# EAGLE board working (EAGLE 9.6.2), part 25 of 28
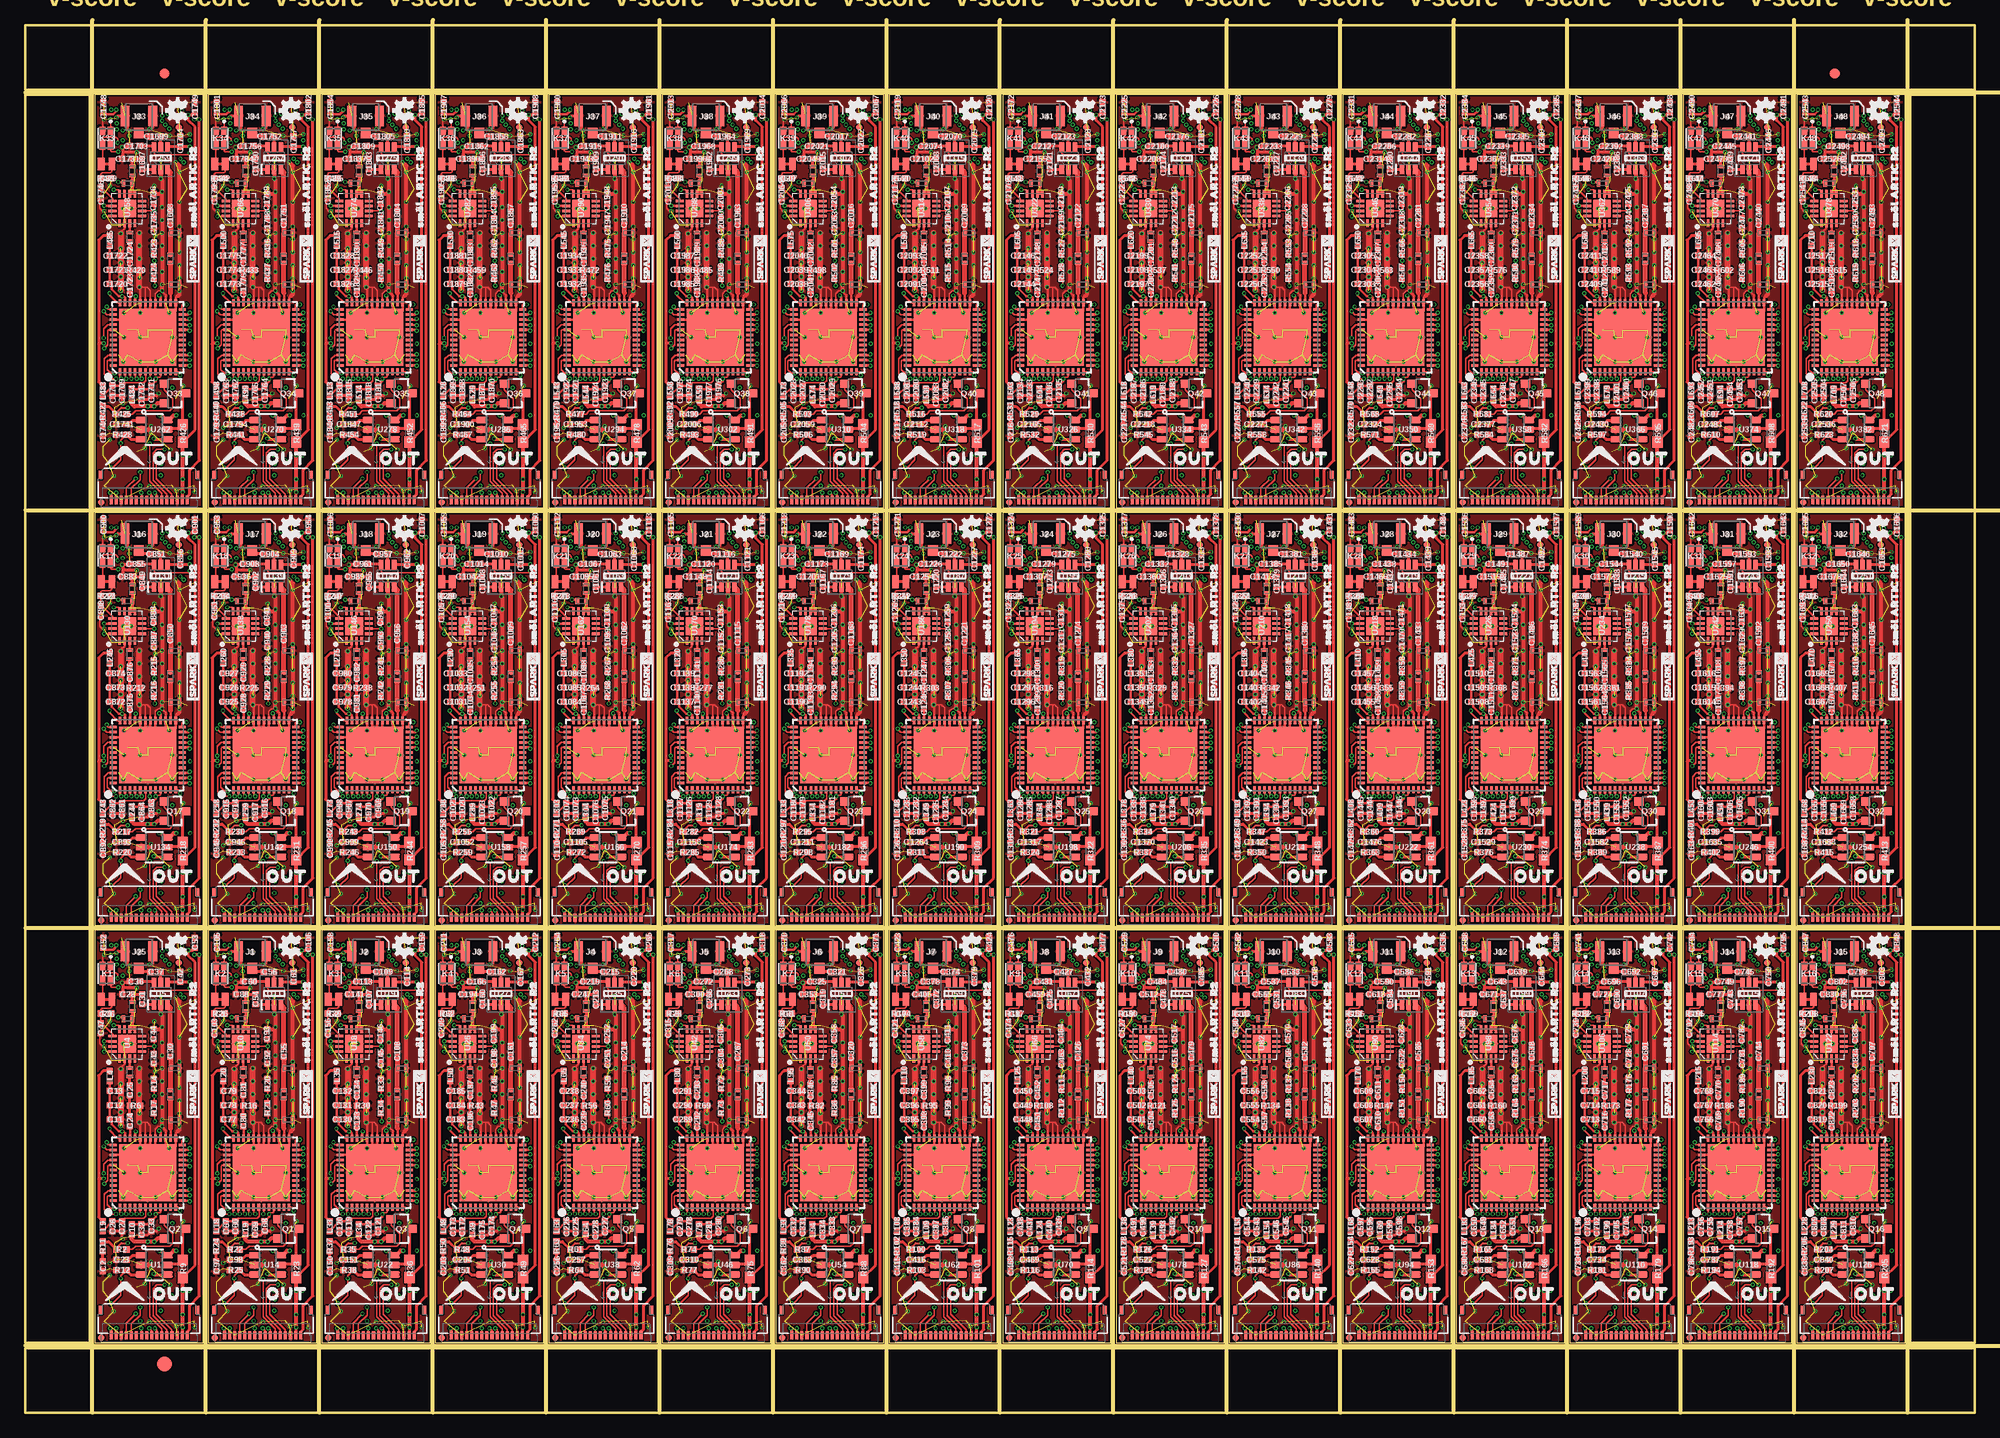
[diagram p0: board, top side]
## Tracks (layer width: path | path; a pad name or v marks a point on that pad's centre or on a via) (continued)
RFG61  (via drill 0.2) (continued)
  Bottom 0.152: v165.61,83.06 165.47,83.06 165.22,82.8 R395.1 C1619.2 165.22,79.36 v165.16,79.31
RFG62
  Top 0.152: U242.13 165.05,78.41 163.97,79.49 C1640.2 163.89,80.45 R403.1 163.9,80.84 164.02,80.96 164.85,80.96 164.99,81.1 G31.1
RFG63  (via drill 0.2)
  Top 0.152: U250.12 176.92,79.17 176.79,79.31 v176.34,79.31 | K32.4 176.04,83.17 176.15,83.06 v176.78,83.06
  Bottom 0.152: v176.78,83.06 176.65,83.06 176.4,82.8 R408.1 C1672.2 176.39,79.36 v176.34,79.31
RFG64
  Top 0.152: U250.13 176.22,78.41 175.14,79.49 C1693.2 175.07,80.45 R416.1 175.08,80.84 175.2,80.96 176.02,80.96 176.16,81.1 G32.1
RFG65  (via drill 0.2)
  Top 0.152: U258.12 9.28,120.32 9.15,120.46 v8.7,120.46 | K33.4 8.4,124.31 8.51,124.21 v9.14,124.21
  Bottom 0.152: v9.14,124.21 9.01,124.21 8.75,123.95 R421.1 C1725.2 8.75,120.51 v8.7,120.46
RFG66
  Top 0.152: U258.13 8.58,119.56 7.5,120.64 C1746.2 R429.1 7.44,121.99 7.56,122.11 8.38,122.11 8.52,122.25 G33.1
RFG67  (via drill 0.2)
  Top 0.152: U266.12 20.46,120.32 20.32,120.46 v19.88,120.46 | K34.4 19.58,124.31 19.68,124.21 v20.32,124.21
  Bottom 0.152: v20.32,124.21 20.18,124.21 19.93,123.95 R434.1 C1778.2 19.93,120.51 v19.88,120.46
RFG68
  Top 0.152: U266.13 19.76,119.56 18.68,120.64 C1799.2 18.61,121.59 R442.1 18.61,121.99 18.73,122.11 19.56,122.11 19.7,122.25 G34.1
RFG69  (via drill 0.2)
  Top 0.152: U274.12 31.64,120.32 31.5,120.46 v31.05,120.46 | K35.4 30.75,124.31 30.86,124.21 v31.5,124.21
  Bottom 0.152: v31.5,124.21 31.36,124.21 31.11,123.95 R447.1 C1831.2 31.1,120.51 v31.05,120.46
RFG70
  Top 0.152: U274.13 30.94,119.56 29.85,120.64 C1852.2 R455.1 29.79,121.99 29.91,122.11 30.73,122.11 30.87,122.25 G35.1
RFG71  (via drill 0.2)
  Top 0.152: U282.12 42.81,120.32 42.67,120.46 v42.23,120.46 | K36.4 41.93,124.31 42.04,124.21 v42.67,124.21
  Bottom 0.152: v42.67,124.21 42.54,124.21 42.28,123.95 R460.1 C1884.2 42.28,120.51 v42.23,120.46
RFG72
  Top 0.152: U282.13 42.11,119.56 41.03,120.64 C1905.2 40.96,121.59 R468.1 40.97,121.99 41.08,122.11 41.91,122.11 42.05,122.25 G36.1
RFG73  (via drill 0.2)
  Top 0.152: U290.12 53.99,120.32 53.85,120.46 v53.4,120.46 | K37.4 53.1,124.31 53.21,124.21 v53.85,124.21
  Bottom 0.152: v53.85,124.21 53.71,124.21 53.46,123.95 R473.1 C1937.2 53.46,120.51 v53.4,120.46
RFG74
  Top 0.152: U290.13 53.29,119.56 52.2,120.64 C1958.2 R481.1 52.14,121.99 52.26,122.11 53.09,122.11 53.23,122.25 G37.1
RFG75  (via drill 0.2)
  Top 0.152: U298.12 65.16,120.32 65.03,120.46 v64.58,120.46 | K38.4 64.28,124.31 64.39,124.21 v65.02,124.21
  Bottom 0.152: v65.02,124.21 64.89,124.21 64.64,123.95 R486.1 C1990.2 64.63,120.51 v64.58,120.46
RFG76
  Top 0.152: U298.13 64.46,119.56 63.38,120.64 C2011.2 R494.1 63.32,121.99 63.44,122.11 64.26,122.11 64.4,122.25 G38.1
RFG77  (via drill 0.2)
  Top 0.152: U306.12 76.34,120.32 76.2,120.46 v75.76,120.46 | K39.4 75.46,124.31 75.56,124.21 v76.2,124.21
  Bottom 0.152: v76.2,124.21 76.06,124.21 75.81,123.95 R499.1 C2043.2 75.81,120.51 v75.76,120.46
RFG78
  Top 0.152: U306.13 75.64,119.56 74.56,120.64 C2064.2 74.48,121.59 R507.1 74.49,121.99 74.61,122.11 75.44,122.11 75.58,122.25 G39.1
RFG79  (via drill 0.2)
  Top 0.152: U314.12 87.52,120.32 87.38,120.46 v86.93,120.46 | K40.4 86.63,124.31 86.74,124.21 v87.38,124.21
  Bottom 0.152: v87.38,124.21 87.24,124.21 86.99,123.95 R512.1 C2096.2 86.98,120.51 v86.93,120.46
RFG80
  Top 0.152: U314.13 86.81,119.56 85.73,120.64 C2117.2 R520.1 85.67,121.99 85.79,122.11 86.61,122.11 86.75,122.25 G40.1
RFG81  (via drill 0.2)
  Top 0.152: U322.12 98.69,120.32 98.55,120.46 v98.11,120.46 | K41.4 97.81,124.31 97.92,124.21 v98.55,124.21
  Bottom 0.152: v98.55,124.21 98.42,124.21 98.16,123.95 R525.1 C2149.2 98.16,120.51 v98.11,120.46
RFG82
  Top 0.152: U322.13 97.99,119.56 96.91,120.64 C2170.2 R533.1 96.84,121.99 96.96,122.11 97.79,122.11 97.93,122.25 G41.1
RFG83  (via drill 0.2)
  Top 0.152: U330.12 109.87,120.32 109.73,120.46 v109.28,120.46 | K42.4 108.98,124.31 109.09,124.21 v109.73,124.21
  Bottom 0.152: v109.73,124.21 109.59,124.21 109.34,123.95 R538.1 C2202.2 109.34,120.51 v109.28,120.46
RFG84
  Top 0.152: U330.13 109.17,119.56 108.09,120.64 C2223.2 R546.1 108.02,121.99 108.14,122.11 108.97,122.11 109.11,122.25 G42.1
RFG85  (via drill 0.2)
  Top 0.152: U338.12 121.04,120.32 120.91,120.46 v120.46,120.46 | K43.4 120.16,124.31 120.27,124.21 v120.9,124.21
  Bottom 0.152: v120.9,124.21 120.77,124.21 120.52,123.95 R551.1 C2255.2 120.51,120.51 v120.46,120.46
RFG86
  Top 0.152: U338.13 120.34,119.56 119.26,120.64 C2276.2 R559.1 119.2,121.99 119.32,122.11 120.14,122.11 120.28,122.25 G43.1
RFG87  (via drill 0.2)
  Top 0.152: U346.12 132.22,120.32 132.08,120.46 v131.64,120.46 | K44.4 131.34,124.31 131.44,124.21 v132.08,124.21
  Bottom 0.152: v132.08,124.21 131.94,124.21 131.69,123.95 R564.1 C2308.2 131.69,120.51 v131.64,120.46
RFG88
  Top 0.152: U346.13 131.52,119.56 130.44,120.64 C2329.2 130.37,121.59 R572.1 130.37,121.99 130.49,122.11 131.32,122.11 131.46,122.25 G44.1
RFG89  (via drill 0.2)
  Top 0.152: U354.12 143.4,120.32 143.26,120.46 v142.81,120.46 | K45.4 142.51,124.31 142.62,124.21 v143.26,124.21
  Bottom 0.152: v143.26,124.21 143.12,124.21 142.87,123.95 R577.1 C2361.2 142.86,120.51 v142.81,120.46
RFG90
  Top 0.152: U354.13 142.69,119.56 141.61,120.64 C2382.2 R585.1 141.55,121.99 141.67,122.11 142.49,122.11 142.63,122.25 G45.1
RFG91  (via drill 0.2)
  Top 0.152: U362.12 154.57,120.32 154.43,120.46 v153.99,120.46 | K46.4 153.69,124.31 153.8,124.21 v154.43,124.21
  Bottom 0.152: v154.43,124.21 154.3,124.21 154.04,123.95 R590.1 C2414.2 154.04,120.51 v153.99,120.46
RFG92
  Top 0.152: U362.13 153.87,119.56 152.79,120.64 C2435.2 R598.1 152.73,121.99 152.84,122.11 153.67,122.11 153.81,122.25 G46.1
RFG93  (via drill 0.2)
  Top 0.152: U370.12 165.75,120.32 165.61,120.46 v165.16,120.46 | K47.4 164.87,124.31 164.97,124.21 v165.61,124.21
  Bottom 0.152: v165.61,124.21 165.47,124.21 165.22,123.95 R603.1 C2467.2 165.22,120.51 v165.16,120.46
RFG94
  Top 0.152: U370.13 165.05,119.56 163.97,120.64 C2488.2 R611.1 163.9,121.99 164.02,122.11 164.85,122.11 164.99,122.25 G47.1
RFG95  (via drill 0.2)
  Top 0.152: U378.12 176.92,120.32 176.79,120.46 v176.34,120.46 | K48.4 176.04,124.31 176.15,124.21 v176.78,124.21
  Bottom 0.152: v176.78,124.21 176.65,124.21 176.4,123.95 R616.1 C2520.2 176.39,120.51 v176.34,120.46
RFG96
  Top 0.152: U378.13 176.22,119.56 175.14,120.64 C2541.2 R624.1 175.08,121.99 175.2,122.11 176.02,122.11 176.16,122.25 G48.1
RXSW  (via drill 0.2)
  Top 0.152: v16.21,41.78 16.03,41.6 12.82,41.6 12.68,41.73 U5.6
  Top 0.203: U3.22 16.13,25.37 v16.19,25.44
  Top 0.305: C36.1 12.58,42.48 U5.6
  Route15 0.152: v16.19,25.44 16.61,25.85 16.61,41.38 v16.21,41.78
RXSW1  (via drill 0.2)
  Top 0.152: v27.38,41.78 27.2,41.6 23.99,41.6 23.86,41.73 U11.6
  Top 0.203: U9.22 27.31,25.37 v27.37,25.44
  Top 0.305: C60.1 23.75,42.48 U11.6
  Route15 0.152: v27.37,25.44 27.79,25.85 27.79,41.38 v27.38,41.78
RXSW2  (via drill 0.2)
  Top 0.152: v38.56,41.78 38.38,41.6 35.17,41.6 35.04,41.73 U19.6
  Top 0.203: U17.22 38.48,25.37 v38.54,25.44
  Top 0.305: C113.1 34.93,42.48 U19.6
  Route15 0.152: v38.54,25.44 38.96,25.85 38.96,41.38 v38.56,41.78
RXSW3  (via drill 0.2)
  Top 0.152: v49.73,41.78 49.55,41.6 46.34,41.6 46.21,41.73 U27.6
  Top 0.203: U25.22 49.66,25.37 v49.72,25.44
  Top 0.305: C166.1 46.11,42.48 U27.6
  Route15 0.152: v49.72,25.44 50.14,25.85 50.14,41.38 v49.73,41.78
RXSW4  (via drill 0.2)
  Top 0.152: v60.91,41.78 60.73,41.6 57.52,41.6 57.39,41.73 U35.6
  Top 0.203: U33.22 60.83,25.37 v60.9,25.44
  Top 0.305: C219.1 57.28,42.48 U35.6
  Route15 0.152: v60.9,25.44 61.31,25.85 61.31,41.38 v60.91,41.78
RXSW5  (via drill 0.2)
  Top 0.152: v72.09,41.78 71.91,41.6 68.7,41.6 68.56,41.73 U43.6
  Top 0.203: U41.22 72.01,25.37 v72.07,25.44
  Top 0.305: C272.1 68.46,42.48 U43.6
  Route15 0.152: v72.07,25.44 72.49,25.85 72.49,41.38 v72.09,41.78
RXSW6  (via drill 0.2)
  Top 0.152: v83.26,41.78 83.08,41.6 79.87,41.6 79.74,41.73 U51.6
  Top 0.203: U49.22 83.19,25.37 v83.25,25.44
  Top 0.305: C325.1 79.63,42.48 U51.6
  Route15 0.152: v83.25,25.44 83.67,25.85 83.67,41.38 v83.26,41.78
RXSW7  (via drill 0.2)
  Top 0.152: v94.44,41.78 94.26,41.6 91.05,41.6 90.92,41.73 U59.6
  Top 0.203: U57.22 94.36,25.37 v94.42,25.44
  Top 0.305: C378.1 90.81,42.48 U59.6
  Route15 0.152: v94.42,25.44 94.84,25.85 94.84,41.38 v94.44,41.78
RXSW8  (via drill 0.2)
  Top 0.152: v105.62,41.78 105.44,41.6 102.22,41.6 102.09,41.73 U67.6
  Top 0.203: U65.22 105.54,25.37 v105.6,25.44
  Top 0.305: C431.1 101.99,42.48 U67.6
  Route15 0.152: v105.6,25.44 106.02,25.85 106.02,41.38 v105.62,41.78
RXSW9  (via drill 0.2)
  Top 0.152: v116.79,41.78 116.61,41.6 113.4,41.6 113.27,41.73 U75.6
  Top 0.203: U73.22 116.71,25.37 v116.78,25.44
  Top 0.305: C484.1 113.16,42.48 U75.6
  Route15 0.152: v116.78,25.44 117.19,25.85 117.19,41.38 v116.79,41.78
RXSW10  (via drill 0.2)
  Top 0.152: v127.97,41.78 127.79,41.6 124.58,41.6 124.45,41.73 U83.6
  Top 0.203: U81.22 127.89,25.37 v127.95,25.44
  Top 0.305: C537.1 124.34,42.48 U83.6
  Route15 0.152: v127.95,25.44 128.37,25.85 128.37,41.38 v127.97,41.78
RXSW11  (via drill 0.2)
  Top 0.152: v139.14,41.78 138.96,41.6 135.75,41.6 135.62,41.73 U91.6
  Top 0.203: U89.22 139.07,25.37 v139.13,25.44
  Top 0.305: C590.1 135.51,42.48 U91.6
  Route15 0.152: v139.13,25.44 139.55,25.85 139.55,41.38 v139.14,41.78
RXSW12  (via drill 0.2)
  Top 0.152: v150.32,41.78 150.14,41.6 146.93,41.6 146.8,41.73 U99.6
  Top 0.203: U97.22 150.24,25.37 v150.3,25.44
  Top 0.305: C643.1 146.69,42.48 U99.6
  Route15 0.152: v150.3,25.44 150.72,25.85 150.72,41.38 v150.32,41.78
RXSW13  (via drill 0.2)
  Top 0.152: v161.5,41.78 161.31,41.6 158.1,41.6 157.97,41.73 U107.6
  Top 0.203: U105.22 161.42,25.37 v161.48,25.44
  Top 0.305: C696.1 157.87,42.48 U107.6
  Route15 0.152: v161.48,25.44 161.9,25.85 161.9,41.38 v161.5,41.78
RXSW14  (via drill 0.2)
  Top 0.152: v172.67,41.78 172.49,41.6 169.28,41.6 169.15,41.73 U115.6
  Top 0.203: U113.22 172.59,25.37 v172.66,25.44
  Top 0.305: C749.1 169.04,42.48 U115.6
  Route15 0.152: v172.66,25.44 173.07,25.85 173.07,41.38 v172.67,41.78
RXSW15  (via drill 0.2)
  Top 0.152: v183.85,41.78 183.67,41.6 180.46,41.6 180.33,41.73 U123.6
  Top 0.203: U121.22 183.77,25.37 v183.83,25.44
  Top 0.305: C802.1 180.22,42.48 U123.6
  Route15 0.152: v183.83,25.44 184.25,25.85 184.25,41.38 v183.85,41.78
RXSW16  (via drill 0.2)
  Top 0.152: v16.21,82.93 16.03,82.75 12.82,82.75 12.68,82.88 U131.6
  Top 0.203: U129.22 16.13,66.52 v16.19,66.58
  Top 0.305: C855.1 12.58,83.63 U131.6
  Route15 0.152: v16.19,66.58 16.61,67 16.61,82.53 v16.21,82.93
RXSW17  (via drill 0.2)
  Top 0.152: v27.38,82.93 27.2,82.75 23.99,82.75 23.86,82.88 U139.6
  Top 0.203: U137.22 27.31,66.52 v27.37,66.58
  Top 0.305: C908.1 23.75,83.63 U139.6
  Route15 0.152: v27.37,66.58 27.79,67 27.79,82.53 v27.38,82.93
RXSW18  (via drill 0.2)
  Top 0.152: v38.56,82.93 38.38,82.75 35.17,82.75 35.04,82.88 U147.6
  Top 0.203: U145.22 38.48,66.52 v38.54,66.58
  Top 0.305: C961.1 34.93,83.63 U147.6
  Route15 0.152: v38.54,66.58 38.96,67 38.96,82.53 v38.56,82.93
RXSW19  (via drill 0.2)
  Top 0.152: v49.73,82.93 49.55,82.75 46.34,82.75 46.21,82.88 U155.6
  Top 0.203: U153.22 49.66,66.52 v49.72,66.58
  Top 0.305: C1014.1 46.11,83.63 U155.6
  Route15 0.152: v49.72,66.58 50.14,67 50.14,82.53 v49.73,82.93
RXSW20  (via drill 0.2)
  Top 0.152: v60.91,82.93 60.73,82.75 57.52,82.75 57.39,82.88 U163.6
  Top 0.203: U161.22 60.83,66.52 v60.9,66.58
  Top 0.305: C1067.1 57.28,83.63 U163.6
  Route15 0.152: v60.9,66.58 61.31,67 61.31,82.53 v60.91,82.93
RXSW21  (via drill 0.2)
  Top 0.152: v72.09,82.93 71.91,82.75 68.7,82.75 68.56,82.88 U171.6
  Top 0.203: U169.22 72.01,66.52 v72.07,66.58
  Top 0.305: C1120.1 68.46,83.63 U171.6
  Route15 0.152: v72.07,66.58 72.49,67 72.49,82.53 v72.09,82.93
RXSW22  (via drill 0.2)
  Top 0.152: v83.26,82.93 83.08,82.75 79.87,82.75 79.74,82.88 U179.6
  Top 0.203: U177.22 83.19,66.52 v83.25,66.58
  Top 0.305: C1173.1 79.63,83.63 U179.6
  Route15 0.152: v83.25,66.58 83.67,67 83.67,82.53 v83.26,82.93
RXSW23  (via drill 0.2)
  Top 0.152: v94.44,82.93 94.26,82.75 91.05,82.75 90.92,82.88 U187.6
  Top 0.203: U185.22 94.36,66.52 v94.42,66.58
  Top 0.305: C1226.1 90.81,83.63 U187.6
  Route15 0.152: v94.42,66.58 94.84,67 94.84,82.53 v94.44,82.93
RXSW24  (via drill 0.2)
  Top 0.152: v105.62,82.93 105.44,82.75 102.22,82.75 102.09,82.88 U195.6
  Top 0.203: U193.22 105.54,66.52 v105.6,66.58
  Top 0.305: C1279.1 101.99,83.63 U195.6
  Route15 0.152: v105.6,66.58 106.02,67 106.02,82.53 v105.62,82.93
RXSW25  (via drill 0.2)
  Top 0.152: v116.79,82.93 116.61,82.75 113.4,82.75 113.27,82.88 U203.6
  Top 0.203: U201.22 116.71,66.52 v116.78,66.58
  Top 0.305: C1332.1 113.16,83.63 U203.6
  Route15 0.152: v116.78,66.58 117.19,67 117.19,82.53 v116.79,82.93
RXSW26  (via drill 0.2)
  Top 0.152: v127.97,82.93 127.79,82.75 124.58,82.75 124.45,82.88 U211.6
  Top 0.203: U209.22 127.89,66.52 v127.95,66.58
  Top 0.305: C1385.1 124.34,83.63 U211.6
  Route15 0.152: v127.95,66.58 128.37,67 128.37,82.53 v127.97,82.93
RXSW27  (via drill 0.2)
  Top 0.152: v139.14,82.93 138.96,82.75 135.75,82.75 135.62,82.88 U219.6
  Top 0.203: U217.22 139.07,66.52 v139.13,66.58
  Top 0.305: C1438.1 135.51,83.63 U219.6
  Route15 0.152: v139.13,66.58 139.55,67 139.55,82.53 v139.14,82.93
RXSW28  (via drill 0.2)
  Top 0.152: v150.32,82.93 150.14,82.75 146.93,82.75 146.8,82.88 U227.6
  Top 0.203: U225.22 150.24,66.52 v150.3,66.58
  Top 0.305: C1491.1 146.69,83.63 U227.6
  Route15 0.152: v150.3,66.58 150.72,67 150.72,82.53 v150.32,82.93
RXSW29  (via drill 0.2)
  Top 0.152: v161.5,82.93 161.31,82.75 158.1,82.75 157.97,82.88 U235.6
  Top 0.203: U233.22 161.42,66.52 v161.48,66.58
  Top 0.305: C1544.1 157.87,83.63 U235.6
  Route15 0.152: v161.48,66.58 161.9,67 161.9,82.53 v161.5,82.93
RXSW30  (via drill 0.2)
  Top 0.152: v172.67,82.93 172.49,82.75 169.28,82.75 169.15,82.88 U243.6
  Top 0.203: U241.22 172.59,66.52 v172.66,66.58
  Top 0.305: C1597.1 169.04,83.63 U243.6
  Route15 0.152: v172.66,66.58 173.07,67 173.07,82.53 v172.67,82.93
RXSW31  (via drill 0.2)
  Top 0.152: v183.85,82.93 183.67,82.75 180.46,82.75 180.33,82.88 U251.6
  Top 0.203: U249.22 183.77,66.52 v183.83,66.58
  Top 0.305: C1650.1 180.22,83.63 U251.6
  Route15 0.152: v183.83,66.58 184.25,67 184.25,82.53 v183.85,82.93
RXSW32  (via drill 0.2)
  Top 0.152: v16.21,124.08 16.03,123.9 12.82,123.9 12.68,124.03 U259.6
  Top 0.203: U257.22 16.13,107.67 v16.19,107.73
  Top 0.305: C1703.1 12.58,124.78 U259.6
  Route15 0.152: v16.19,107.73 16.61,108.15 16.61,123.68 v16.21,124.08
RXSW33  (via drill 0.2)
  Top 0.152: v27.38,124.08 27.2,123.9 23.99,123.9 23.86,124.03 U267.6
  Top 0.203: U265.22 27.31,107.67 v27.37,107.73
  Top 0.305: C1756.1 23.75,124.78 U267.6
  Route15 0.152: v27.37,107.73 27.79,108.15 27.79,123.68 v27.38,124.08
RXSW34  (via drill 0.2)
  Top 0.152: v38.56,124.08 38.38,123.9 35.17,123.9 35.04,124.03 U275.6
  Top 0.203: U273.22 38.48,107.67 v38.54,107.73
  Top 0.305: C1809.1 34.93,124.78 U275.6
  Route15 0.152: v38.54,107.73 38.96,108.15 38.96,123.68 v38.56,124.08
RXSW35  (via drill 0.2)
  Top 0.152: v49.73,124.08 49.55,123.9 46.34,123.9 46.21,124.03 U283.6
  Top 0.203: U281.22 49.66,107.67 v49.72,107.73
  Top 0.305: C1862.1 46.11,124.78 U283.6
  Route15 0.152: v49.72,107.73 50.14,108.15 50.14,123.68 v49.73,124.08
RXSW36  (via drill 0.2)
  Top 0.152: v60.91,124.08 60.73,123.9 57.52,123.9 57.39,124.03 U291.6
  Top 0.203: U289.22 60.83,107.67 v60.9,107.73
  Top 0.305: C1915.1 57.28,124.78 U291.6
  Route15 0.152: v60.9,107.73 61.31,108.15 61.31,123.68 v60.91,124.08
RXSW37  (via drill 0.2)
  Top 0.152: v72.09,124.08 71.91,123.9 68.7,123.9 68.56,124.03 U299.6
  Top 0.203: U297.22 72.01,107.67 v72.07,107.73
  Top 0.305: C1968.1 68.46,124.78 U299.6
  Route15 0.152: v72.07,107.73 72.49,108.15 72.49,123.68 v72.09,124.08
RXSW38  (via drill 0.2)
  Top 0.152: v83.26,124.08 83.08,123.9 79.87,123.9 79.74,124.03 U307.6
  Top 0.203: U305.22 83.19,107.67 v83.25,107.73
  Top 0.305: C2021.1 79.63,124.78 U307.6
  Route15 0.152: v83.25,107.73 83.67,108.15 83.67,123.68 v83.26,124.08
RXSW39  (via drill 0.2)
  Top 0.152: v94.44,124.08 94.26,123.9 91.05,123.9 90.92,124.03 U315.6
  Top 0.203: U313.22 94.36,107.67 v94.42,107.73
  Top 0.305: C2074.1 90.81,124.78 U315.6
  Route15 0.152: v94.42,107.73 94.84,108.15 94.84,123.68 v94.44,124.08
RXSW40  (via drill 0.2)
  Top 0.152: v105.62,124.08 105.44,123.9 102.22,123.9 102.09,124.03 U323.6
  Top 0.203: U321.22 105.54,107.67 v105.6,107.73
  Top 0.305: C2127.1 101.99,124.78 U323.6
  Route15 0.152: v105.6,107.73 106.02,108.15 106.02,123.68 v105.62,124.08
RXSW41  (via drill 0.2)
  Top 0.152: v116.79,124.08 116.61,123.9 113.4,123.9 113.27,124.03 U331.6
  Top 0.203: U329.22 116.71,107.67 v116.78,107.73
  Top 0.305: C2180.1 113.16,124.78 U331.6
  Route15 0.152: v116.78,107.73 117.19,108.15 117.19,123.68 v116.79,124.08
RXSW42  (via drill 0.2)
  Top 0.152: v127.97,124.08 127.79,123.9 124.58,123.9 124.45,124.03 U339.6
  Top 0.203: U337.22 127.89,107.67 v127.95,107.73
  Top 0.305: C2233.1 124.34,124.78 U339.6
  Route15 0.152: v127.95,107.73 128.37,108.15 128.37,123.68 v127.97,124.08
RXSW43  (via drill 0.2)
  Top 0.152: v139.14,124.08 138.96,123.9 135.75,123.9 135.62,124.03 U347.6
  Top 0.203: U345.22 139.07,107.67 v139.13,107.73
  Top 0.305: C2286.1 135.51,124.78 U347.6
  Route15 0.152: v139.13,107.73 139.55,108.15 139.55,123.68 v139.14,124.08
RXSW44  (via drill 0.2)
  Top 0.152: v150.32,124.08 150.14,123.9 146.93,123.9 146.8,124.03 U355.6
  Top 0.203: U353.22 150.24,107.67 v150.3,107.73
  Top 0.305: C2339.1 146.69,124.78 U355.6
  Route15 0.152: v150.3,107.73 150.72,108.15 150.72,123.68 v150.32,124.08
RXSW45  (via drill 0.2)
  Top 0.152: v161.5,124.08 161.31,123.9 158.1,123.9 157.97,124.03 U363.6
  Top 0.203: U361.22 161.42,107.67 v161.48,107.73
  Top 0.305: C2392.1 157.87,124.78 U363.6
  Route15 0.152: v161.48,107.73 161.9,108.15 161.9,123.68 v161.5,124.08
RXSW46  (via drill 0.2)
  Top 0.152: v172.67,124.08 172.49,123.9 169.28,123.9 169.15,124.03 U371.6
  Top 0.203: U369.22 172.59,107.67 v172.66,107.73
  Top 0.305: C2445.1 169.04,124.78 U371.6
  Route15 0.152: v172.66,107.73 173.07,108.15 173.07,123.68 v172.67,124.08
RXSW47  (via drill 0.2)
  Top 0.152: v183.85,124.08 183.67,123.9 180.46,123.9 180.33,124.03 U379.6
  Top 0.203: U377.22 183.77,107.67 v183.83,107.73
  Top 0.305: C2498.1 180.22,124.78 U379.6
  Route15 0.152: v183.83,107.73 184.25,108.15 184.25,123.68 v183.85,124.08
SCL  (via drill 0.2)
  Top 0.152: OUT.13 9.94,8.8 v10.86,9.71
  Route15 0.127: v9.02,44.7 8.04,44.7 7.59,44.26 7.59,37.28 8.14,36.74 8.14,35.4 7.59,34.85 7.59,27.67 8.57,26.7 8.57,22.07 7.53,21.03 7.53,10.12 8.06,9.59 10.73,9.59 v10.86,9.71
  Bottom 0.152: IN.13 9.94,45.63 v9.02,44.7 | v10.86,9.71 v10.85,9.71 U8.6
SCL1  (via drill 0.2)
  Top 0.152: OUT1.13 21.12,8.8 v22.04,9.71
  Route15 0.127: v20.19,44.7 19.21,44.7 18.77,44.26 18.77,37.28 19.32,36.74 19.32,35.4 18.77,34.85 18.77,27.67 19.75,26.7 19.75,22.07 18.71,21.03 18.71,10.12 19.24,9.59 21.91,9.59 v22.04,9.71
  Bottom 0.152: IN1.13 21.12,45.63 v20.19,44.7 | v22.04,9.71 v22.03,9.71 U16.6
SCL2  (via drill 0.2)
  Top 0.152: OUT2.13 32.29,8.8 v33.21,9.71
  Route15 0.127: v31.37,44.7 30.39,44.7 29.95,44.26 29.95,37.28 30.49,36.74 30.49,35.4 29.95,34.85 29.95,27.67 30.92,26.7 30.92,22.07 29.88,21.03 29.88,10.12 30.42,9.59 33.08,9.59 v33.21,9.71
  Bottom 0.152: IN2.13 32.29,45.63 v31.37,44.7 | v33.21,9.71 v33.2,9.71 U24.6
SCL3  (via drill 0.2)
  Top 0.152: OUT3.13 43.47,8.8 v44.39,9.71
  Route15 0.127: v42.54,44.7 41.57,44.7 41.12,44.26 41.12,37.28 41.67,36.74 41.67,35.4 41.12,34.85 41.12,27.67 42.1,26.7 42.1,22.07 41.06,21.03 41.06,10.12 41.59,9.59 44.26,9.59 v44.39,9.71
  Bottom 0.152: IN3.13 43.47,45.63 v42.54,44.7 | v44.39,9.71 v44.38,9.71 U32.6
SCL4  (via drill 0.2)
  Top 0.152: OUT4.13 54.65,8.8 v55.56,9.71
  Route15 0.127: v53.72,44.7 52.74,44.7 52.3,44.26 52.3,37.28 52.84,36.74 52.84,35.4 52.3,34.85 52.3,27.67 53.27,26.7 53.27,22.07 52.23,21.03 52.23,10.12 52.77,9.59 55.44,9.59 v55.56,9.71
  Bottom 0.152: IN4.13 54.65,45.63 v53.72,44.7 | v55.56,9.71 v55.55,9.71 U40.6
SCL5  (via drill 0.2)
  Top 0.152: OUT5.13 65.82,8.8 v66.74,9.71
  Route15 0.127: v64.9,44.7 63.92,44.7 63.47,44.26 63.47,37.28 64.02,36.74 64.02,35.4 63.47,34.85 63.47,27.67 64.45,26.7 64.45,22.07 63.41,21.03 63.41,10.12 63.95,9.59 66.61,9.59 v66.74,9.71
  Bottom 0.152: IN5.13 65.82,45.63 v64.9,44.7 | v66.74,9.71 v66.73,9.71 U48.6
SCL6  (via drill 0.2)
  Top 0.152: OUT6.13 77,8.8 v77.91,9.71
  Route15 0.127: v76.07,44.7 75.09,44.7 74.65,44.26 74.65,37.28 75.2,36.74 75.2,35.4 74.65,34.85 74.65,27.67 75.63,26.7 75.63,22.07 74.59,21.03 74.59,10.12 75.12,9.59 77.79,9.59 v77.91,9.71
  Bottom 0.152: IN6.13 77,45.63 v76.07,44.7 | v77.91,9.71 U56.6
SCL7  (via drill 0.2)
  Top 0.152: OUT7.13 88.17,8.8 v89.09,9.71
  Route15 0.127: v87.25,44.7 86.27,44.7 85.83,44.26 85.83,37.28 86.37,36.74 86.37,35.4 85.83,34.85 85.83,27.67 86.8,26.7 86.8,22.07 85.76,21.03 85.76,10.12 86.3,9.59 88.96,9.59 v89.09,9.71
  Bottom 0.152: IN7.13 88.17,45.63 v87.25,44.7 | v89.09,9.71 v89.08,9.71 U64.6
SCL8  (via drill 0.2)
  Top 0.152: OUT8.13 99.35,8.8 v100.27,9.71
  Route15 0.127: v98.42,44.7 97.45,44.7 97,44.26 97,37.28 97.55,36.74 97.55,35.4 97,34.85 97,27.67 97.98,26.7 97.98,22.07 96.94,21.03 96.94,10.12 97.47,9.59 100.14,9.59 v100.27,9.71
  Bottom 0.152: IN8.13 99.35,45.63 v98.42,44.7 | v100.27,9.71 v100.26,9.71 U72.6
SCL9  (via drill 0.2)
  Top 0.152: OUT9.13 110.53,8.8 v111.44,9.71
  Route15 0.127: v109.6,44.7 108.62,44.7 108.18,44.26 108.18,37.28 108.72,36.74 108.72,35.4 108.18,34.85 108.18,27.67 109.16,26.7 109.16,22.07 108.12,21.03 108.12,10.12 108.65,9.59 111.31,9.59 v111.44,9.71
  Bottom 0.152: IN9.13 110.53,45.63 v109.6,44.7 | v111.44,9.71 U80.6
SCL10  (via drill 0.2)
  Top 0.152: OUT10.13 121.7,8.8 v122.62,9.71
  Route15 0.127: v120.78,44.7 119.8,44.7 119.36,44.26 119.36,37.28 119.9,36.74 119.9,35.4 119.36,34.85 119.36,27.67 120.33,26.7 120.33,22.07 119.29,21.03 119.29,10.12 119.82,9.59 122.49,9.59 v122.62,9.71
  Bottom 0.152: IN10.13 121.7,45.63 v120.78,44.7 | v122.62,9.71 v122.61,9.71 U88.6
SCL11  (via drill 0.2)
  Top 0.152: OUT11.13 132.88,8.8 v133.79,9.71
  Route15 0.127: v131.95,44.7 130.97,44.7 130.53,44.26 130.53,37.28 131.07,36.74 131.07,35.4 130.53,34.85 130.53,27.67 131.51,26.7 131.51,22.07 130.47,21.03 130.47,10.12 131,9.59 133.67,9.59 v133.79,9.71
  Bottom 0.152: IN11.13 132.88,45.63 v131.95,44.7 | v133.79,9.71 U96.6
SCL12  (via drill 0.2)
  Top 0.152: OUT12.13 144.05,8.8 v144.97,9.71
  Route15 0.127: v143.13,44.7 142.15,44.7 141.71,44.26 141.71,37.28 142.25,36.74 142.25,35.4 141.71,34.85 141.71,27.67 142.68,26.7 142.68,22.07 141.64,21.03 141.64,10.12 142.18,9.59 144.84,9.59 v144.97,9.71
  Bottom 0.152: IN12.13 144.05,45.63 v143.13,44.7 | v144.97,9.71 v144.96,9.71 U104.6
SCL13  (via drill 0.2)
  Top 0.152: OUT13.13 155.23,8.8 v156.15,9.71
  Route15 0.127: v154.31,44.7 153.33,44.7 152.88,44.26 152.88,37.28 153.43,36.74 153.43,35.4 152.88,34.85 152.88,27.67 153.86,26.7 153.86,22.07 152.82,21.03 152.82,10.12 153.35,9.59 156.02,9.59 v156.15,9.71
  Bottom 0.152: IN13.13 155.23,45.63 v154.31,44.7 | v156.15,9.71 v156.14,9.71 U112.6
SCL14  (via drill 0.2)
  Top 0.152: OUT14.13 166.41,8.8 v167.32,9.71
  Route15 0.127: v165.48,44.7 164.5,44.7 164.06,44.26 164.06,37.28 164.6,36.74 164.6,35.4 164.06,34.85 164.06,27.67 165.03,26.7 165.03,22.07 164,21.03 164,10.12 164.53,9.59 167.2,9.59 v167.32,9.71
  Bottom 0.152: IN14.13 166.41,45.63 v165.48,44.7 | v167.32,9.71 v167.31,9.71 U120.6
SCL15  (via drill 0.2)
  Top 0.152: OUT15.13 177.58,8.8 v178.5,9.71
  Route15 0.127: v176.66,44.7 175.68,44.7 175.24,44.26 175.24,37.28 175.78,36.74 175.78,35.4 175.24,34.85 175.24,27.67 176.21,26.7 176.21,22.07 175.17,21.03 175.17,10.12 175.7,9.59 178.37,9.59 v178.5,9.71
  Bottom 0.152: IN15.13 177.58,45.63 v176.66,44.7 | v178.5,9.71 v178.49,9.71 U128.6
SCL16  (via drill 0.2)
  Top 0.152: OUT16.13 9.94,49.95 v10.86,50.86
  Route15 0.127: v9.02,85.85 8.04,85.85 7.59,85.41 7.59,78.43 8.14,77.89 8.14,76.55 7.59,76 7.59,68.82 8.57,67.84 8.57,63.22 7.53,62.18 7.53,51.27 8.06,50.74 10.73,50.74 v10.86,50.86
  Bottom 0.152: IN16.13 9.94,86.78 v9.02,85.85 | v10.86,50.86 10.85,50.86 U136.6
SCL17  (via drill 0.2)
  Top 0.152: OUT17.13 21.12,49.95 v22.04,50.86
  Route15 0.127: v20.19,85.85 19.21,85.85 18.77,85.41 18.77,78.43 19.32,77.89 19.32,76.55 18.77,76 18.77,68.82 19.75,67.84 19.75,63.22 18.71,62.18 18.71,51.27 19.24,50.74 21.91,50.74 v22.04,50.86
  Bottom 0.152: IN17.13 21.12,86.78 v20.19,85.85 | v22.04,50.86 22.03,50.86 U144.6
SCL18  (via drill 0.2)
  Top 0.152: OUT18.13 32.29,49.95 v33.21,50.86
  Route15 0.127: v31.37,85.85 30.39,85.85 29.95,85.41 29.95,78.43 30.49,77.89 30.49,76.55 29.95,76 29.95,68.82 30.92,67.84 30.92,63.22 29.88,62.18 29.88,51.27 30.42,50.74 33.08,50.74 v33.21,50.86